# Altium PCB RF-BIG-DB5AT_v1.pcbdoc (part 6 of 7) (continued)
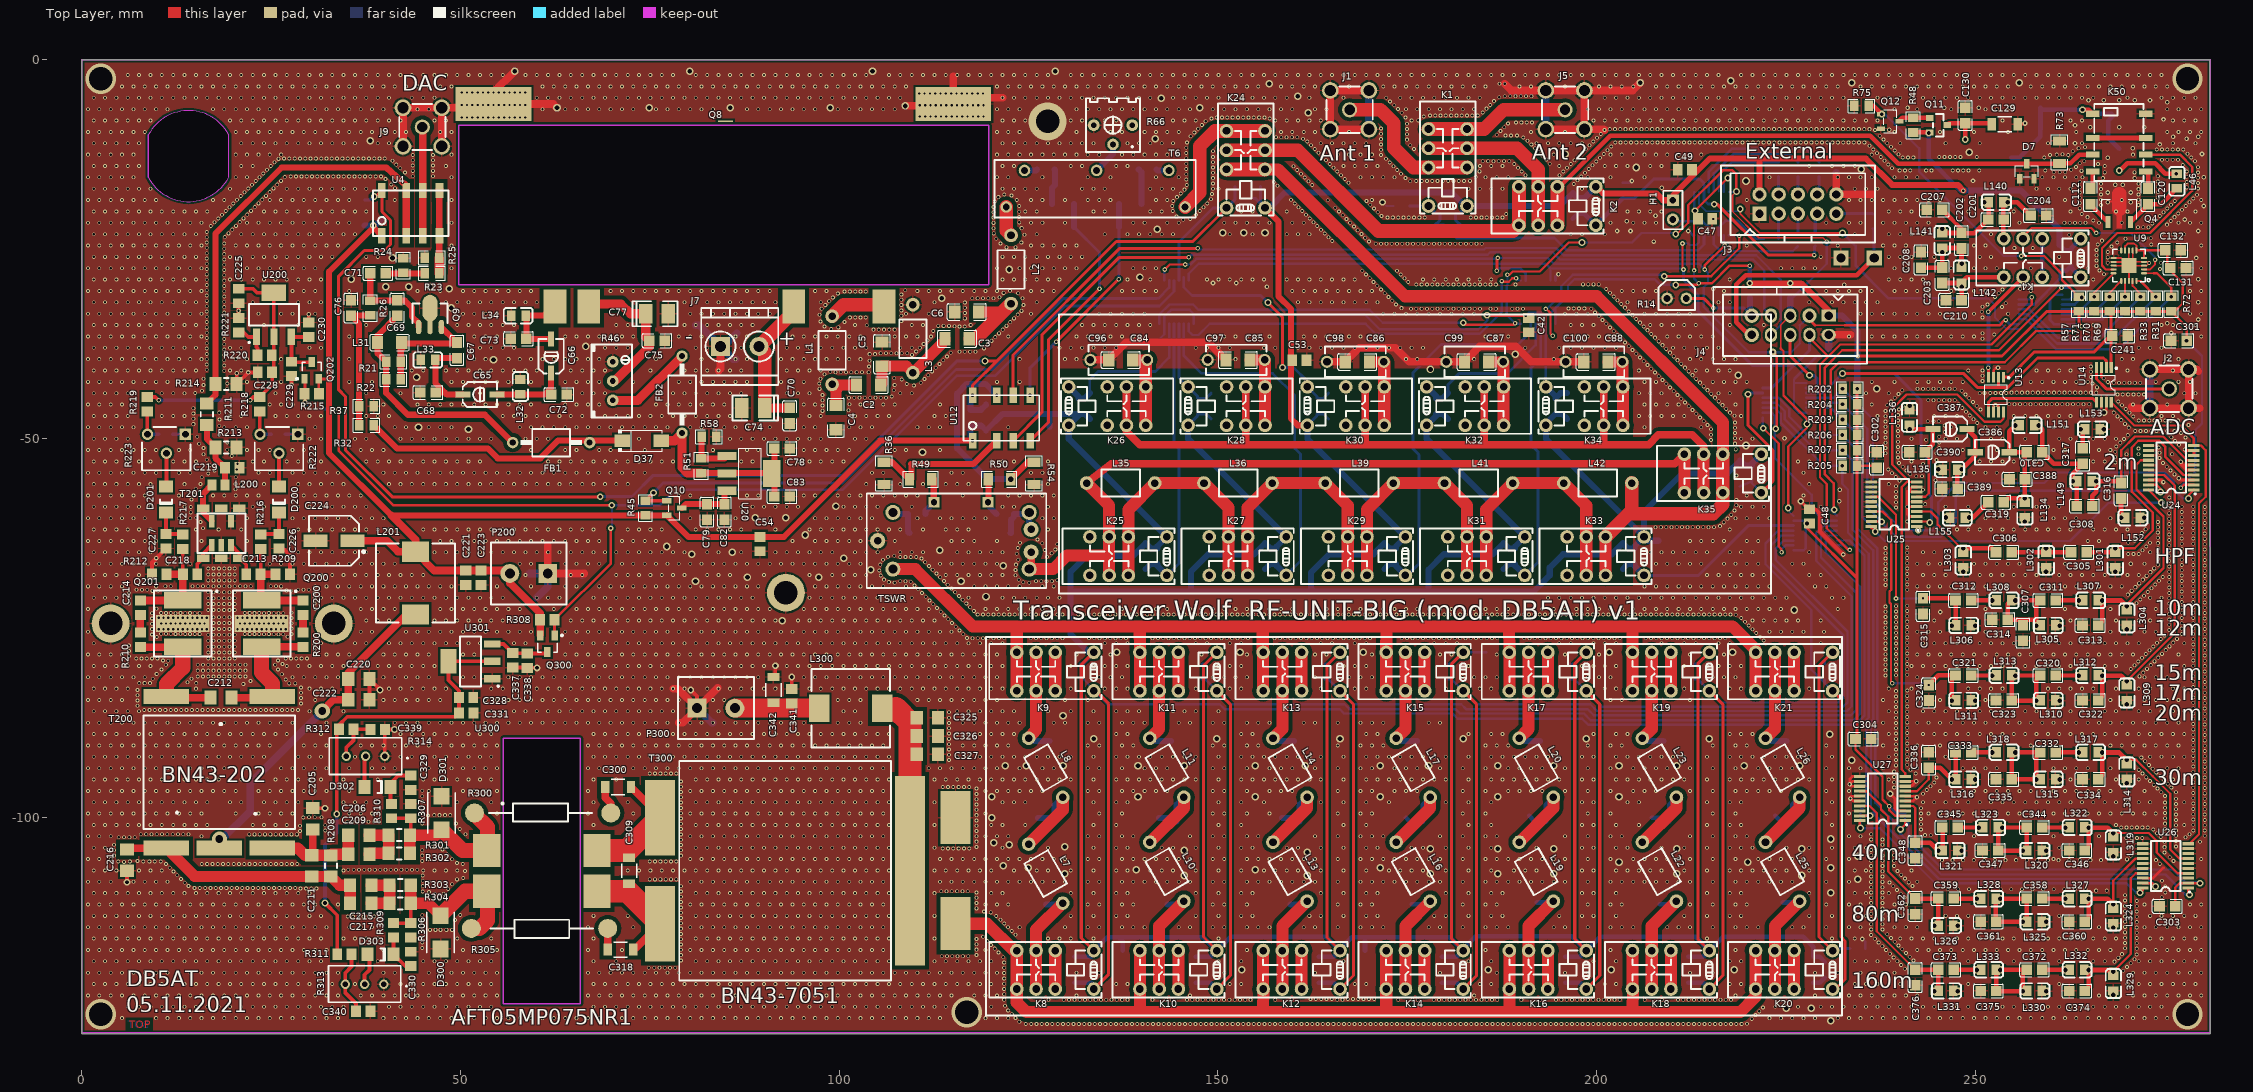
[diagram p0: Top Layer view]
## Nets (pads, with @x,y where several pads share a name; then routed paths per layer and width w, separated by ;. In a path a pad name is that pad's centre, name@x,y a point inside that pad or via, vN(x,y) a via of type N, cw(c..) or ccw(c..) an arc to the next point about the centre after c; other vN are vias at no path point) (continued)
NetC129_2: C129.2 C130.2 Q11.3 U6.3 | length 8.1
  Top Layer w0.61: Q11.3@246.31,-8.636 246.55,-8.396 C130.2@248.666,-8.396 ; v3(248.666,-10.516) C130.2@248.666,-8.396 ; C129.2@252.173,-8.396 C130.2@248.666,-8.396
NetC200_1: C200.1 C213.1 Q200.1 R209.2 R216.2 | length 14.2
  Top Layer w0.5: C213.1@23.61,-67.945 23.622,-67.933 R216.2@23.622,-64.577
  Top Layer w1: R209.2@25.593,-67.945 C213.1@23.61,-67.945 23.61,-71.233 Q200.1@23.749,-71.372 23.763,-71.386 C200.1@29.083,-71.386
NetC200_2: C200.2 R200.1 | length 2.3
  Top Layer w1: R200.1@29.21,-75.631 C200.2@29.21,-73.286
NetC201_1: C201.1 C204.2 K4.5 L140.1 | length 11.5
  Top Layer w0.61: K4.5@253.746,-23.622 253.696,-23.572 L140.1@253.696,-18.796 ; C201.1@253.76,-21.082 253.696,-21.018 L140.1@253.696,-18.796 ; C204.2@257.288,-20.574 255.51,-18.796 L140.1@253.696,-18.796
NetC201_2: C201.2 C202.1 C207.2 L140.2 L141.1 | length 15.8
  Top Layer w0.61: L141.1@245.618,-22.91 249.871,-22.911 C201.2@251.7,-21.082 251.764,-21.018 L140.2@251.764,-18.796 ; L141.1@245.618,-22.91 245.682,-22.846 248.158,-22.846 248.158,-22.337 C207.2@245.632,-19.812
NetC202_2: C202.2 C203.1 C208.2 L141.2 L142.1 | length 13.1
  Top Layer w0.61: C208.2@242.824,-27.446 245.59,-27.446 245.618,-27.418 245.618,-24.893 L141.2@245.669,-24.842 ; L142.1@248.158,-27.482 C202.2@248.158,-24.906 ; C202.2@248.094,-24.842 C202.2@248.158,-24.906 ; C202.2@248.094,-24.842 L141.2@245.618,-24.842 C202.2@248.094,-24.842 ; C202.2@248.094,-24.842 C202.2@248.158,-24.906
NetC203_2: C203.2 C210.1 K4.8 L142.2 | length 10.8
  Top Layer w0.61: C203.2@245.618,-29.478 248.094,-29.478 248.158,-29.414 248.87,-28.702 K4.8@253.746,-28.702 ; L142.2@248.158,-29.413 C210.1@248.172,-31.75
NetC205_1: C205.1 C206.2 C209.2 C211.2 R208.2 T200.5 | length 16.5
  Top Layer w1: C211.2@30.353,-105.026 30.48,-104.899 C205.1@30.48,-101.603
  Top Layer w1.5: T200.5@25.176,-104.074 28.509,-104.074 29.464,-105.029 R208.2@32.893,-105.029 33.02,-104.902 C209.2@35.176,-104.902 C206.2@35.176,-102.362
NetC206_1: C206.1 C209.1 R301.1 R302.1 | length 7.5
  Top Layer w1.5: C209.1@37.976,-104.902 38.103,-104.775 R302.1@40.51,-104.775 R301.1@40.51,-102.362 C206.1@37.976,-102.362
NetC211_1: C211.1 C215.2 C216.1 C217.2 R208.1 T200.4 | length 34
  Top Layer w1: C216.1@5.969,-104.264 6.159,-104.074 T200.4@11.176,-104.074
  Top Layer w1.5: T200.4@11.176,-104.074 14.931,-107.829 R208.1@32.893,-107.829 34.03,-108.966 C215.2@35.43,-108.966 35.433,-108.969 C217.2@35.433,-111.379
NetC212_1: C212.1 Q201.3 R210.2 T200.1 | length 19
  Top Layer w1: R210.2@7.747,-77.531 13.276,-77.531 Q201.3@13.335,-77.472 ; T200.1@11.176,-84.074 11.303,-84.201 C212.1@16.971,-84.201
  Top Layer w2: T200.1@11.176,-84.074 11.176,-82.423 13.335,-80.264 Q201.3@13.335,-77.472
NetC212_2: C212.2 Q200.3 R200.2 T200.3 | length 18
  Top Layer w1: C212.2@19.771,-84.201 25.049,-84.201 T200.3@25.176,-84.074 ; Q200.3@23.749,-77.472 29.024,-77.472 R200.2@29.083,-77.531
  Top Layer w2: Q200.3@23.749,-77.472 23.749,-80.899 25.176,-82.326 T200.3@25.176,-84.074
NetC213_2: C213.2 T201.3 T201.9 | length 4.7
  Top Layer w0.5: T201.9@19.685,-64.073 20.815,-65.203 T201.3@20.815,-65.784 21.71,-66.678 C213.2@21.71,-67.945
NetC214_1: C214.1 C218.1 Q201.1 R212.1 R217.2 | length 14.5
  Top Layer w0.5: C218.1@13.335,-67.933 R217.2@13.335,-64.577
  Top Layer w1: C214.1@7.747,-71.386 13.321,-71.386 Q201.1@13.335,-71.372 13.347,-71.36 C218.1@13.347,-67.945 ; R212.1@11.176,-67.945 13.323,-67.945 C218.1@13.335,-67.933
NetC214_2: C214.2 R210.1 | length 2.3
  Top Layer w1: R210.1@7.747,-75.631 C214.2@7.747,-73.286
NetC215_1: C215.1 C217.1 R303.1 R304.1 | length 7.2
  Top Layer w1.5: C215.1@38.23,-108.966 R303.1@40.637,-108.966 R304.1@40.637,-111.379 C217.1@38.233,-111.379
NetC218_2: C218.2 T201.1 T201.7 | length 4.7
  Top Layer w0.5: C218.2@15.247,-67.945 15.247,-66.551 T201.1@16.015,-65.784 16.015,-65.203 T201.7@17.145,-64.073
NetC219_2: C219.2 L200.1 R211.2 R213.2 | length 8.9
  Top Layer w0.8: R211.2@16.51,-48.199 16.51,-50.041 R213.2@17.65,-51.181 17.65,-52.582 C219.2@18.916,-53.848 18.884,-53.88 L200.1@18.884,-56.123
NetC220_1: C220.1 C222.1 C231.1 L201.1 T200.2 | length 42.4
  Top Layer w1: v11(31.75,-85.979) 33.226,-84.503 C222.1@35.176,-84.503 C220.1@35.176,-81.752 35.176,-80.928 42.866,-73.238 L201.1@44.069,-73.238
  Bottom Layer w1: v11(18.161,-102.87) 18.542,-102.87 22.225,-99.187 22.225,-95.504 v11(31.75,-85.979)
NetC225_1: C225.1 C228.1 R218.2 R219.2 R220.1 U200.2 U200.4 | length 34.6
  Top Layer w0.5: R219.2@8.636,-44.516 9.711,-44.516 v6(10.153,-44.95) ; C225.1@20.701,-30.238 22.606,-30.238 23.123,-30.755 U200.4@25.358,-30.755 U200.2@25.358,-36.555 25.358,-41.051 C228.1@25.134,-41.275 25.134,-42.877 R218.2@23.495,-44.516 22.667,-44.516 v6(22.225,-44.95)
  Bottom Layer w0.5: v6(10.153,-44.95) v6(22.225,-44.95)
NetC226_1: C226.1 D200.1 R216.1 | length 5.3
  Top Layer w0.5: R216.1@23.622,-62.677 23.676,-62.623 C226.1@26.035,-62.623 D200.1@26.035,-59.749
NetC227_1: C227.1 D201.1 R217.1 | length 5.1
  Top Layer w0.5: D201.1@11.112,-59.749 C227.1@11.112,-62.623 13.281,-62.623 R217.1@13.335,-62.677
NetC229_2: C229.2 C230.2 Q202.3 U200.3 | length 8.3
  Top Layer w0.5: U200.3@27.658,-36.555 U200.3@27.686,-36.583 ; C230.2@29.972,-36.583 U200.3@27.686,-36.583 ; Q202.3@30.353,-39.921 27.736,-39.921 C229.2@27.686,-39.871 U200.3@27.686,-36.583
NetC232_2: C232.2 R219.1 R223.3 | length 4.5
  Top Layer w0.5: R219.1@8.636,-46.416 8.636,-49.403 R223.3@8.676,-49.443
  Bottom Layer w0.5: R223.3@8.676,-49.443 C232.2@10.153,-49.443
NetC233_2: C233.2 R218.1 R222.3 | length 4.5
  Top Layer w0.5: R218.1@23.495,-46.416 23.495,-49.403 R222.3@23.535,-49.443
  Bottom Layer w0.5: R222.3@23.535,-49.443 C233.2@25.012,-49.443
NetC300_1: C300.1 R300.2 | length 3.8
  Top Layer w1: C300.1@69.117,-96.012 69.088,-96.041 69.088,-97.409 69.85,-98.171 R300.2@69.85,-99.441
NetC300_2: C300.2 C309.2 T300.2 U300.3 | length 15.8
  Top Layer w1: C300.2@72.517,-96.012 76.347,-99.842 T300.2@76.347,-100.061
  Top Layer w3: U300.3@67.945,-104.394 72.014,-104.394 T300.2@76.347,-100.061
NetC305_1: C305.1 L301.2 U24.4 | length 33.8
  Top Layer w0.305: L301.2@268.458,-64.49 271.044,-64.49 273.431,-62.103 273.431,-61.992 273.426,-61.987 273.426,-61.439 273.431,-61.434 273.431,-61.292 273.426,-61.287 273.426,-60.739 273.431,-60.734 273.431,-59.807 270.637,-57.013 270.637,-51.181 271.508,-50.31 274.288,-50.31 275.082,-51.105 275.082,-52.437 277.468,-54.823 U24.4@278.845,-54.823 ; U24.4@278.343,-54.823 U24.4@278.845,-54.823
  Top Layer w0.61: C305.1@264.682,-65.024 267.924,-65.024 L301.2@268.458,-64.49
NetC305_2: C305.2 C306.1 L302.2 | length 7.8
  Top Layer w0.61: C306.1@254.776,-65.024 C305.2@262.622,-65.024
NetC306_2: C306.2 L303.2 U25.4 | length 13.1
  Top Layer w0.305: U25.4@242.269,-59.649 244.053,-59.649 244.983,-60.579 244.983,-61.341 248.132,-64.49 L303.2@248.392,-64.49
  Top Layer w0.61: L303.2@248.392,-64.49 252.182,-64.49 C306.2@252.716,-65.024
NetC307_2: C307.2 C311.2 C314.2 L305.2 L308.1 | length 14.8
  Top Layer w0.61: L305.2@258.038,-74.696 258.038,-71.894 C311.2@258.558,-71.374 L308.1@254.712,-71.374 254.268,-71.818 C314.2@254.268,-73.914 257.86,-73.914 L305.2@258.622,-74.676
NetC308_1: C308.1 C316.2 L149.1 U24.7 | length 22.8
  Top Layer w0.305: C316.2@269.24,-55.866 269.24,-51.562 271.075,-49.727 274.799,-49.727 277.945,-52.873 U24.7@278.845,-52.873
  Top Layer w0.61: C308.1@265.444,-58.928 265.444,-57.547 265.964,-57.027 L149.1@265.964,-55.646 269.02,-55.646 C316.2@269.24,-55.866
NetC308_2: C308.2 C310.1 C317.2 L149.2 L151.1 | length 16
  Top Layer w0.61: L151.1@258.344,-48.28 258.84,-48.776 C310.1@258.84,-51.816 ; C310.1@258.84,-51.816 260.365,-53.353 C317.2@264.16,-53.353 ; C308.2@263.384,-58.928 263.384,-56.166 L149.2@262.864,-55.646 262.864,-54.65 C317.2@264.16,-53.354
NetC309_1: C309.1 C318.1 T300.1 U300.4 | length 15.1
  Top Layer w1: C318.1@72.82,-117.475 72.933,-117.475 T300.1@76.347,-114.061
  Top Layer w3: U300.4@67.945,-109.774 72.06,-109.774 T300.1@76.347,-114.061
NetC310_2: C310.2 C319.2 C386.1 C388.2 L134.2 L151.2 | length 15.3
  Top Layer w0.61: C319.2@253.76,-58.42 254.294,-57.886 L134.2@256.52,-57.886 256.52,-52.076 C310.2@256.78,-51.816 C386.1@254.472,-51.816 254.472,-49.052 L151.2@255.244,-48.28
NetC311_1: C311.1 L307.2 | length 3
  Top Layer w0.61: C311.1@260.618,-71.374 L307.2@263.626,-71.394
NetC312_1: C312.1 L308.2 | length 2.8
  Top Layer w0.61: C312.1@249.442,-71.374 L308.2@252.196,-71.394
NetC312_2: C312.2 C315.2 L306.2 U25.14 | length 26.8
  Top Layer w0.305: U25.14@236.267,-57.699 237.15,-57.699 239.522,-60.071 v4(239.522,-71.12)
  Top Layer w0.61: v6(243.078,-71.106) 247.114,-71.106 C312.2@247.382,-71.374 247.382,-74.176 L306.2@246.862,-74.696
  Bottom Layer w0.305: v4(239.522,-71.12) 243.065,-71.12 v6@243.078,-71.107
NetC313_2: C313.2 L304.2 L307.1 U24.14 | length 31.6
  Top Layer w0.305: L304.2@270.002,-72.694 270.002,-71.918 274.828,-67.092 274.828,-60.294 271.272,-56.738 271.272,-53.428 271.827,-52.873 U24.14@272.843,-52.873
  Top Layer w0.61: C313.2@266.206,-74.676 266.726,-74.156 L307.1@266.726,-71.394 269.266,-71.394 L304.2@269.982,-72.11
NetC316_1: C316.1 L152.2 | length 2.6
  Top Layer w0.61: L152.2@269.214,-60.472 269.214,-57.952 C316.1@269.24,-57.926
NetC317_1: C317.1 L153.2 | length 2.6
  Top Layer w0.61: L153.2@263.88,-48.788 264.16,-49.068 C317.1@264.16,-51.294
NetC318_2: C318.2 R305.1 | length 2.8
  Top Layer w1: C318.2@69.42,-117.475 69.42,-114.696 R305.1@69.435,-114.681
NetC319_1: C319.1 L155.2 | length 3.9
  Top Layer w0.61: L155.2@248.616,-60.452 249.668,-60.452 C319.1@251.7,-58.42
NetC320_1: C320.1 L312.2 | length 3
  Top Layer w0.61: C320.1@260.618,-81.28 L312.2@263.626,-81.3
NetC320_2: C320.2 C323.2 L310.2 L313.1 | length 13.6
  Top Layer w0.61: C323.2@254.776,-84.582 254.776,-81.82 L313.1@255.296,-81.3 C320.2@258.558,-81.28 ; C323.2@254.776,-84.582 L310.2@258.038,-84.602 258.038,-81.8 C320.2@258.558,-81.28
NetC321_1: C321.1 L313.2 | length 2.8
  Top Layer w0.61: C321.1@249.442,-81.28 L313.2@252.196,-81.3
NetC321_2: C321.2 C324.2 L311.2 U25.17 | length 37.4
  Top Layer w0.305: U25.17@236.267,-59.649 237.744,-59.649 238.887,-60.792 238.887,-69.977 238.659,-70.205 238.659,-71.654 238.848,-71.843 238.848,-82.13 v4(239.014,-82.296)
  Top Layer w0.61: C324.2@243.84,-82.536 245.096,-81.28 C321.2@247.382,-81.28 246.862,-81.8 L311.2@246.862,-84.602
  Bottom Layer w0.305: v4(239.014,-82.296) 243.599,-82.296 v6(243.84,-82.537)
NetC322_2: C322.2 L309.2 L312.1 U24.17 | length 39.5
  Top Layer w0.305: L309.2@269.982,-82.016 276.313,-75.685 276.313,-56.222 274.914,-54.823 U24.17@272.843,-54.823
  Top Layer w0.61: C322.2@266.206,-84.582 266.726,-84.062 L312.1@266.726,-81.3 269.266,-81.3 L309.2@269.982,-82.016
NetC325_2: C325.2 C326.2 C327.2 L300.1 T300.3 | length 24
  Top Layer w2.5: L300.1@105.664,-85.612 107.456,-85.612
  Top Layer w3: 107.456,-85.612 109.347,-87.503 T300.3@109.347,-107.061
NetC328_1: C328.1 C331.1 R311.2 R312.2 U301.2 U301.4 | length 61.4
  Top Layer w0.5: v3(32.128,-111.339) 33.721,-112.932 R311.2@33.721,-118.11 ; v3(33.655,-99.568) 33.655,-88.712 R312.2@33.975,-88.392 33.975,-87.818 35.052,-86.741 49.288,-86.741 C331.1@49.796,-86.233 49.796,-84.208 C328.1@49.789,-84.201 49.789,-83.296 48.408,-81.915 U301.4@48.408,-79.417 U301.2@54.208,-79.417
  Bottom Layer w0.5: v3(32.128,-111.339) 32.128,-103.635 33.655,-102.108 v3(33.655,-99.568)
NetC329_1: C329.1 D302.1 R310.1 | length 5.9
  Top Layer w0.5: R310.1@40.894,-98.237 40.767,-98.11 D302.1@40.767,-96.012 40.767,-95.509 41.783,-94.493 C329.1@43.434,-94.493
NetC330_1: C330.1 D303.1 R309.1 | length 5.2
  Top Layer w0.5: R309.1@41.148,-115.885 41.148,-118.107 D303.1@41.151,-118.11 42.7,-119.659 C330.1@43.434,-119.659
NetC332_1: C332.1 L317.2 | length 3
  Top Layer w0.61: C332.1@260.618,-91.44 L317.2@263.626,-91.46
NetC332_2: C332.2 C335.2 L315.2 L318.1 | length 14.1
  Top Layer w0.61: C335.2@254.776,-94.996 254.776,-91.98 L318.1@255.296,-91.46 C332.2@258.558,-91.44 ; C335.2@254.776,-94.996 L315.2@258.038,-95.016 258.038,-91.96 C332.2@258.558,-91.44
NetC333_1: C333.1 L318.2 | length 2.8
  Top Layer w0.61: C333.1@249.442,-91.44 L318.2@252.196,-91.46
NetC333_2: C333.2 C336.2 L316.2 U27.7 | length 12.7
  Top Layer w0.305: U27.7@240.745,-96.561 242.275,-96.561 243.84,-94.996 C336.2@243.84,-93.486
  Top Layer w0.61: C336.2@243.84,-93.486 245.332,-93.486 L316.2@246.862,-95.016 247.382,-94.496 C333.2@247.382,-91.44
NetC334_2: C334.2 L314.2 L317.1 U26.7 | length 25.5
  Top Layer w0.305: L314.2@270.259,-92.606 L314.2@269.982,-92.43 271.246,-92.43 273.411,-94.595 275.717,-96.901 275.717,-104.267 276.901,-105.451 U26.7@278.083,-105.451
  Top Layer w0.61: C334.2@266.206,-94.996 266.726,-94.476 L317.1@266.726,-91.46 269.012,-91.46 L314.2@269.982,-92.43
NetC337_2: C337.2 C338.2 Q300.3 U301.3 | length 7.9
  Top Layer w0.5: U301.3@54.208,-77.117 55.676,-77.117 C337.2@56.896,-78.338 58.76,-78.338 C338.2@58.801,-78.379 61.278,-78.379 Q300.3@61.468,-78.189
NetC339_1: C339.1 R312.1 R314.3 | length 6.2
  Top Layer w0.5: R314.3@34.925,-91.948 34.925,-90.805 35.875,-89.855 R312.1@35.875,-88.392 38.086,-88.392 C339.1@38.112,-88.418
NetC340_1: C340.1 R311.1 R313.3 | length 8.4
  Top Layer w0.5: R311.1@35.621,-118.11 35.621,-119.7 34.798,-120.523 R313.3@34.798,-122.047 34.798,-123.19 36.2,-124.592 C340.1@36.2,-125.603
NetC341_2: C341.2 C342.2 L300.2 P300.2 | length 11.1
  Top Layer w2.5: P300.2@86.233,-85.598 97.35,-85.598 L300.2@97.364,-85.612
NetC344_1: C344.1 L322.2 | length 3
  Top Layer w0.61: C344.1@258.84,-101.346 L322.2@261.848,-101.366
NetC344_2: C344.2 C347.2 L320.2 L323.1 | length 12.9
  Top Layer w0.61: L323.1@252.934,-101.346 252.998,-101.41 C347.2@252.998,-104.394 ; C347.2@252.998,-104.394 L320.2@256.26,-104.414 256.78,-103.894 C344.2@256.78,-101.346 ; L323.1@253.518,-101.366 C344.2@256.78,-101.346
NetC345_1: C345.1 L323.2 | length 2.8
  Top Layer w0.61: C345.1@247.664,-101.346 L323.2@250.418,-101.366
NetC345_2: C345.2 C348.2 L321.2 U27.4 | length 12.5
  Top Layer w0.305: U27.4@240.745,-98.511 241.785,-98.511 242.062,-98.788 C348.2@242.062,-103.364
  Top Layer w0.61: C348.2@242.062,-103.364 244.034,-103.364 L321.2@245.084,-104.414 ; C345.2@245.604,-101.346 245.668,-101.41 L321.2@245.668,-104.394
NetC346_2: C346.2 L319.2 L322.1 U26.4 | length 19.8
  Top Layer w0.305: L319.2@268.204,-102.082 272.898,-102.083 273.939,-103.124 273.939,-104.648 276.692,-107.401 U26.4@278.083,-107.401
  Top Layer w0.61: C346.2@264.428,-104.394 264.948,-103.874 L322.1@264.948,-101.366 267.488,-101.366 L319.2@268.204,-102.082
NetC358_1: C358.1 L327.2 | length 3
  Top Layer w0.61: C358.1@258.84,-110.744 L327.2@261.848,-110.764
NetC358_2: C358.2 C361.2 L325.2 L328.1 | length 14
  Top Layer w0.61: C361.2@252.744,-113.792 252.68,-113.728 L328.1@252.68,-110.744 C358.2@256.78,-110.744 256.78,-113.292 L325.2@256.26,-113.812 C361.2@252.744,-113.792
NetC359_1: C359.1 L328.2 | length 3.6
  Top Layer w0.61: C359.1@247.156,-110.744 L328.2@250.748,-110.744
NetC359_2: C359.2 C362.2 L326.2 U27.14 | length 24.3
  Top Layer w0.305: U27.14@234.743,-96.561 235.626,-96.561 237.525,-98.46 237.525,-98.968 238.506,-99.949 238.506,-107.174 C362.2@242.062,-110.73
  Top Layer w0.61: C362.2@242.062,-110.731 C359.2@245.096,-110.744 ; C359.2@245.096,-110.744 245.096,-114.236 L326.2@245.16,-114.3
NetC360_2: C360.2 L324.2 L327.1 U26.14 | length 15
  Top Layer w0.305: L324.2@268.204,-111.48 268.204,-108.385 271.137,-105.451 U26.14@272.081,-105.451
  Top Layer w0.61: C360.2@264.428,-113.792 264.948,-113.272 L327.1@264.948,-110.764 267.488,-110.764 L324.2@268.204,-111.48
NetC372_1: C372.1 L332.2 | length 3
  Top Layer w0.61: C372.1@258.84,-120.142 L332.2@261.848,-120.162
NetC372_2: C372.2 C375.2 L330.2 L333.1 | length 12.9
  Top Layer w0.61: L333.1@252.68,-120.142 252.744,-120.206 C375.2@252.744,-122.936 ; C375.2@252.744,-122.936 L330.2@256.26,-122.956 256.26,-120.662 C372.2@256.78,-120.142 ; L333.1@253.264,-120.162 C372.2@256.78,-120.142
NetC373_1: C373.1 L333.2 | length 3.6
  Top Layer w0.61: C373.1@247.156,-120.142 L333.2@250.748,-120.142
NetC373_2: C373.2 C376.2 L331.2 U27.17 | length 31.5
  Top Layer w0.305: U27.17@234.743,-98.511 236.052,-98.511 236.982,-99.441 236.982,-115.048 C376.2@242.062,-120.128
  Top Layer w0.61: C376.2@242.062,-120.129 C373.2@245.096,-120.142 ; L331.2@244.576,-122.956 245.096,-122.436 C373.2@245.096,-120.142
NetC374_2: C374.2 L329.2 L332.1 U26.17 | length 21.4
  Top Layer w0.305: L329.2@268.204,-120.37 270.51,-118.064 270.51,-108.047 271.156,-107.401 U26.17@272.081,-107.401
  Top Layer w0.61: C374.2@264.428,-122.936 264.948,-122.416 L332.1@264.948,-120.162 267.996,-120.162 L329.2@268.204,-120.37
NetC386_2: C386.2 C387.1 C389.2 L135.2 | length 9.1
  Top Layer w0.61: L135.2@247.6,-54.102 247.6,-56.578 C389.2@247.664,-56.642 ; L135.2@248.184,-54.082 249.972,-52.294 C386.2@249.972,-51.816 249.972,-49.856 C387.1@248.884,-48.768
NetC387_2: C387.2 C390.2 L136.2 U25.7 | length 13.9
  Top Layer w0.305: U25.7@242.269,-57.699 243.382,-57.699 243.84,-57.241 243.84,-52.578 243.346,-52.084 C390.2@243.346,-51.816
  Top Layer w0.61: L136.2@241.32,-48.794 241.346,-48.768 C387.2@244.384,-48.768 244.384,-50.778 C390.2@243.346,-51.816
NetD1_2: D1.2 R56.1 TSWR.1 | length 4.7
  Bottom Layer w0.8: TSWR.1@107.082,-59.75 107.276,-59.944 D1.2@109.063,-59.944 109.064,-62.282 R56.1@109.265,-62.484
NetD3_2: D3.2 R55.2 TSWR.2 TSWR.6 | length 7.2
  Bottom Layer w0.8: R55.2@122.637,-62.484 122.682,-62.439 122.682,-60.706 123.092,-60.296 D3.2@123.093,-59.944 124.888,-59.944 TSWR.2@125.082,-59.75 125.082,-61.75 TSWR.6@125.332,-62
NetD37_1: D37.1 FB1.1 R32.1 | length 35.6
  Top Layer w0.8: R32.1@38.558,-48.26 41.606,-51.308 53.594,-51.308 54.914,-52.628 60.527,-52.628 62.863,-50.292 D37.1@71.348,-50.292
NetD49_2: D49.2 T6.3 | length 1.7
  Bottom Layer w0.8: T6.3@124.46,-14.605 125.955,-14.605 D49.2@126.081,-14.478
NetD50_2: D50.2 T6.4 | length 1.7
  Bottom Layer w0.8: D50.2@141.889,-14.478 142.015,-14.605 T6.4@143.51,-14.605
NetD200_2: D200.2 R222.2 | length 4.4
  Top Layer w0.5: D200.2@26.035,-56.317 R222.2@26.035,-51.943
NetD201_2: D201.2 R223.2 | length 4.4
  Top Layer w0.5: D201.2@11.112,-56.317 11.176,-56.253 R223.2@11.176,-51.943
NetD300_2: D300.2 R303.2 R304.2 R305.2 R306.2 R309.2 U300.2 | length 25.8
  Top Layer w0.5: R309.2@41.148,-113.985 R306.2@43.434,-113.985 43.434,-111.382 R304.2@43.437,-111.379
  Top Layer w1.5: R303.2@43.437,-108.966 R304.2@43.437,-111.379 45.761,-111.379 D300.2@47.371,-112.989
  Top Layer w2: D300.2@47.371,-112.989 50.586,-109.774 53.545,-109.774 53.545,-113.653 52.517,-114.681 R305.2@51.435,-114.681
NetD301_2: D301.2 R300.1 R301.2 R302.2 R307.1 R310.2 U300.1 | length 24.4
  Top Layer w0.5: R310.2@40.894,-100.137 R307.1@43.434,-100.137 R301.2@43.434,-102.362 ; R302.2@43.31,-104.775 R302.2@43.437,-104.648
  Top Layer w1.5: R302.2@43.31,-104.521 R301.2@43.31,-102.362 43.434,-102.362 46.777,-102.362 D301.2@47.498,-101.641
  Top Layer w2: D301.2@47.498,-101.641 50.251,-104.394 53.545,-104.394 53.545,-101.297 51.85,-99.602 R300.1@51.85,-99.441
NetD302_2: D302.2 R314.2 | length 4.1
  Top Layer w0.5: D302.2@37.335,-96.012 37.335,-92.078 R314.2@37.465,-91.948
NetD303_2: D303.2 R313.2 | length 4.3
  Top Layer w0.5: R313.2@37.338,-122.047 37.338,-120.797 37.973,-120.162 37.973,-118.364 D303.2@37.719,-118.11
NetFB2_1: FB2.1 R46.3 | length 11.6
  Top Layer w1.2: R46.3@70.104,-44.968 73.396,-44.968 FB2.1@79.248,-39.116
NetJ1_5: J1.5 K1.3 K1.10 | length 20.6
  Top Layer w1.8: J1.5@167.386,-6.604 171.45,-6.604 173.228,-8.382 173.228,-11.645 175.807,-14.224 K1.10@177.8,-14.224 K1.3@182.88,-14.224
NetJ3_3: J3.3 R3.2 | length 3.3
  Bottom Layer w0.4: R3.2@223.978,-23.622 223.978,-20.37 J3.3@224.028,-20.32
NetJ3_4: J3.4 R7.1 | length 2.3
  Bottom Layer w0.4: J3.4@224.028,-17.78 R7.1@224.028,-15.444
NetJ3_5: J3.5 R8.2 | length 2.3
  Bottom Layer w0.4: R8.2@226.568,-22.656 J3.5@226.568,-20.32
NetJ3_6: J3.6 R9.1 | length 2.3
  Bottom Layer w0.4: J3.6@226.568,-17.78 R9.1@226.568,-15.444
NetJ3_7: J3.7 R10.2 | length 2.4
  Bottom Layer w0.4: R10.2@228.854,-22.656 228.854,-20.574 J3.7@229.108,-20.32
NetJ3_8: J3.8 R11.1 | length 2.4
  Bottom Layer w0.4: J3.8@229.108,-17.78 229.362,-17.526 R11.1@229.362,-15.444
NetJ3_9: J3.9 R12.2 | length 4.8
  Bottom Layer w0.4: J3.9@231.648,-20.32 236.424,-20.32 R12.2@236.474,-20.37
NetJ5_5: J5.5 K1.5 K1.8 | length 19.1
  Top Layer w1.8: K1.8@177.8,-9.144 K1.5@182.88,-9.144 185.166,-9.144 187.716,-6.594 195.833,-6.594 J5.5@195.844,-6.594
NetJ9_5: J9.5 U4.3 U4.6 | length 14.3
  Top Layer w1: J9.5@44.958,-8.89 45.024,-8.956 U4.3@45.024,-23.114
NetK4_3: K4.3 K4.10 | length 5.1
  Bottom Layer w0.61: K4.10@258.826,-28.702 K4.3@258.826,-23.622
NetK8_3: K8.3 K8.10 | length 5.1
  Top Layer w1.6: K8.10@128.524,-122.682 K8.3@128.524,-117.602
NetK9_3: K9.3 K9.10 | length 5.1
  Top Layer w1.6: K9.10@128.524,-83.312 K9.3@128.524,-78.232
NetK10_3: K10.3 K10.10 | length 5.1
  Top Layer w1.6: K10.10@144.78,-122.682 K10.3@144.78,-117.602
NetK11_3: K11.3 K11.10 | length 5.1
  Top Layer w1.6: K11.10@144.78,-83.312 K11.3@144.78,-78.232
NetK12_3: K12.3 K12.10 | length 5.1
  Top Layer w1.6: K12.10@161.036,-122.682 K12.3@161.036,-117.602
NetK13_3: K13.3 K13.10 | length 5.1
  Top Layer w1.6: K13.10@161.036,-83.312 K13.3@161.036,-78.232
NetK14_3: K14.3 K14.10 | length 5.1
  Top Layer w1.6: K14.10@177.292,-122.682 K14.3@177.292,-117.602
NetK15_3: K15.3 K15.10 | length 5.1
  Top Layer w1.6: K15.10@177.292,-83.312 K15.3@177.292,-78.232
NetK16_3: K16.3 K16.10 | length 5.1
  Top Layer w1.6: K16.10@193.548,-122.682 K16.3@193.548,-117.602
NetK17_3: K17.3 K17.10 | length 5.1
  Top Layer w1.6: K17.10@193.548,-83.312 K17.3@193.548,-78.232
NetK18_3: K18.3 K18.10 | length 5.1
  Top Layer w1.6: K18.10@209.804,-122.682 K18.3@209.804,-117.602
NetK19_3: K19.3 K19.10 | length 5.1
  Top Layer w1.6: K19.10@209.804,-83.312 K19.3@209.804,-78.232
NetK20_3: K20.3 K20.10 | length 5.1
  Top Layer w1.6: K20.10@226.06,-122.682 K20.3@226.06,-117.602
NetK21_3: K21.3 K21.10 | length 5.1
  Top Layer w1.6: K21.10@226.06,-83.312 K21.3@226.06,-78.232
NetK25_3: K25.3 K25.10 K27.4 K27.9 L35.2 L36.1 | length 33.7
  Top Layer w1.6: K25.10@138.176,-68.072 K25.3@138.176,-62.992 138.176,-59.364 L35.2@141.66,-55.88 L36.1@148.154,-55.88 151.384,-59.11 K27.4@151.384,-62.992 K27.9@151.384,-68.072
NetK26_4: K26.4 K26.9 K28.4 K28.9 K30.4 K30.9 K32.4 K32.9 K34.4 K34.9 K35.4 K35.9 | length 120.3
  Top Layer w1: K26.9@137.922,-43.18 137.922,-49.064 139.689,-50.831 200.914,-50.831 ; 153.647,-50.63 K28.4@153.67,-48.26 K28.9@153.67,-43.18 ; 169.417,-50.673 K30.4@169.418,-48.26 K30.9@169.418,-43.18 ; 185.119,-50.763 K32.4@185.166,-48.26 K32.9@185.166,-43.18 ; K34.9@200.914,-43.18 K34.4@200.914,-48.26 200.914,-50.831 ; K35.4@214.122,-52.07 214.122,-51.054 212.598,-49.53 208.153,-49.53 206.852,-50.831 200.914,-50.831
  Top Layer w1.6: K35.9@214.122,-57.15 K35.4@214.122,-52.07
NetK27_3: K27.3 K27.10 K29.4 K29.9 L36.2 L39.1 | length 34
  Top Layer w1.6: K27.10@153.924,-68.072 K27.3@153.924,-62.992 153.924,-59.11 L36.2@157.154,-55.88 L39.1@164.156,-55.88 167.132,-58.856 K29.4@167.132,-62.992 K29.9@167.132,-68.072
NetK29_3: K29.3 K29.10 K31.4 K31.9 L39.2 L41.1 | length 33.8
  Top Layer w1.6: K29.10@169.672,-68.072 K29.3@169.672,-62.992 169.672,-59.364 L39.2@173.156,-55.88 L41.1@179.904,-55.88 182.88,-58.856 K31.4@182.88,-62.992 K31.9@182.88,-68.072
NetK31_3: K31.3 K31.10 K33.4 K33.9 L41.2 L42.1 | length 33.8
  Top Layer w1.6: K31.10@185.42,-68.072 K31.3@185.42,-62.992 185.42,-59.364 L41.2@188.904,-55.88 L42.1@195.652,-55.88 198.628,-58.856 K33.4@198.628,-62.992 K33.9@198.628,-68.072
NetK50_2: K50.2 K50.7 | length 7
  Top Layer w0.61: K50.2@265.486,-10.322 K50.7@272.486,-10.322
NetL1_1: L1.1 Q8.4 | length 7.5
  Top Layer w1.8: L1.1@99.06,-33.854 100.593,-32.322 Q8.4@105.918,-32.322
NetL46_2: L46.2 R39.1 | length 8.6
  Top Layer w0.61: v3@268.986,-14.732 v3@269.009,-14.709 ; v3@268.986,-14.687 v3(268.986,-14.605) ; v3@269.049,-14.668 270.047,-13.671 273.721,-13.671 275.086,-15.036 v3(276.51,-15.036) L46.2@276.606,-15.036
NetL200_2: L200.2 T201.6 T201.10 | length 5.7
  Top Layer w0.7: T201.6@16.015,-59.183 16.015,-59.763 T201.10@17.145,-60.894
  Top Layer w0.8: T201.6@16.015,-59.183 16.015,-57.292 L200.2@17.184,-56.123
NetQ11_1: Q11.1 Q12.3 R48.1 | length 4.2
  Top Layer w0.61: Q12.3@239.895,-8.128 240.353,-7.67 R48.1@241.808,-7.67 ; R48.1@241.808,-7.67 Q11.1@243.911,-7.686
NetR51_1: R51.1 R58.1 U20.1 | length 6.4
  Top Layer w0.8: R58.1@81.838,-49.784 81.788,-49.834 R51.1@81.788,-52.628 84.85,-52.628 U20.1@85.168,-52.31
NetR66_2: R66.2 T6.5 | length 4.3
  Bottom Layer w0.8: T6.5@133.985,-14.605 136.144,-12.446 R66.2@136.144,-11.176
NetR220_2: R220.2 R221.1 U200.1 | length 5.1
  Top Layer w0.5: R221.1@20.701,-36.002 21.39,-36.002 21.971,-36.583 23.029,-36.583 U200.1@23.058,-36.555 23.058,-37.924 23.234,-38.1 23.234,-38.935 R220.2@23.18,-38.989
NetU1_2: U1.2 U7.9 | length 60.4
  Top Layer w0.305: v3(231.353,-59.395) 231.312,-59.354 231.312,-55.925 230.124,-54.737 230.124,-40.64 232.41,-38.354 253.111,-38.354 v6(261.366,-30.099)
  Bottom Layer w0.305: v3(231.353,-59.395) 230.988,-59.395 230.947,-59.436 U7.9@231.72,-60.209 ; v6(261.366,-30.099) 262.509,-30.099 262.864,-30.454 262.864,-31.268 262.483,-31.649 U1.2@261.438,-31.649
NetU1_9: U1.9 U11.2 | length 53.7
  Top Layer w0.25: v3(218.948,-19.685) 218.948,-20.32 221.488,-22.86 v3(232.461,-22.86)
  Bottom Layer w0.25: U11.2@213.513,-17.454 213.513,-19.076 214.441,-20.004 218.629,-20.004 v3(218.948,-19.685) ; 250.19,-31.496 251.714,-31.496 252.603,-32.385 252.603,-34.036 254.116,-35.549 U1.9@255.706,-35.549
  Bottom Layer w0.35: v3(232.461,-22.86) 234.188,-24.587 234.188,-27.128 238.556,-31.496 250.19,-31.496
NetU2_2: U2.2 U3.9 | length 51.9
  Top Layer w0.305: v6@187.355,-29.083 v6@187.452,-29.083 ; v6(187.452,-29.21) 187.534,-29.292 188.402,-29.292 188.865,-28.829 v6(189.357,-28.829)
  Bottom Layer w0.305: U2.2@146.151,-34.87 146.151,-35.855 146.627,-36.331 147.438,-36.331 148.923,-34.846 169.494,-34.846 170.805,-36.157 184.593,-36.157 187.452,-33.298 v6(187.452,-29.21) ; v6(189.357,-28.829) 189.666,-29.138 U3.9@190.003,-29.138
NetU3_2: U3.2 U11.9 | length 38.7
  Top Layer w0.305: v4@193.284,-32.812 193.903,-33.432 193.903,-36.169 v6(194.183,-36.449) ; v4(193.294,-32.893) v4@193.294,-32.822 ; v3(208.915,-28.586) 209.892,-28.586 209.917,-28.561 215.138,-28.561 218.821,-24.878 v6(218.821,-23.241)
  Bottom Layer w0.305: v4@193.284,-33.03 195.326,-30.988 195.326,-29.904 196.86,-28.37 208.699,-28.37 v3(208.915,-28.586) ; v4@193.294,-33.02 v4(193.294,-32.893) ; U3.2@193.903,-34.87 193.903,-36.169 v6(194.183,-36.449) ; U11.9@217.413,-23.186 218.766,-23.186 v6(218.821,-23.241)
NetU7_2: U7.2 U21.9 | length 21
  Top Layer w0.305: v3(221.996,-48.641) 224.028,-50.673 224.028,-64.262 224.409,-64.643 v4(224.409,-65.02)
  Bottom Layer w0.305: U21.9@221.924,-47.233 221.924,-48.569 v3(221.996,-48.641) ; v4(224.409,-65.02) 224.409,-64.617 224.917,-64.109 U7.2@225.988,-64.109
NetU13_5: U13.5 U14.5 | length 16
  Top Layer w0.4: U13.5@251.755,-46.496 251.755,-45.171 252.222,-44.704 265.457,-44.704 U14.5@265.979,-45.226